# Altium PCB MB1137.PcbDoc (part 2 of 4) (continued)
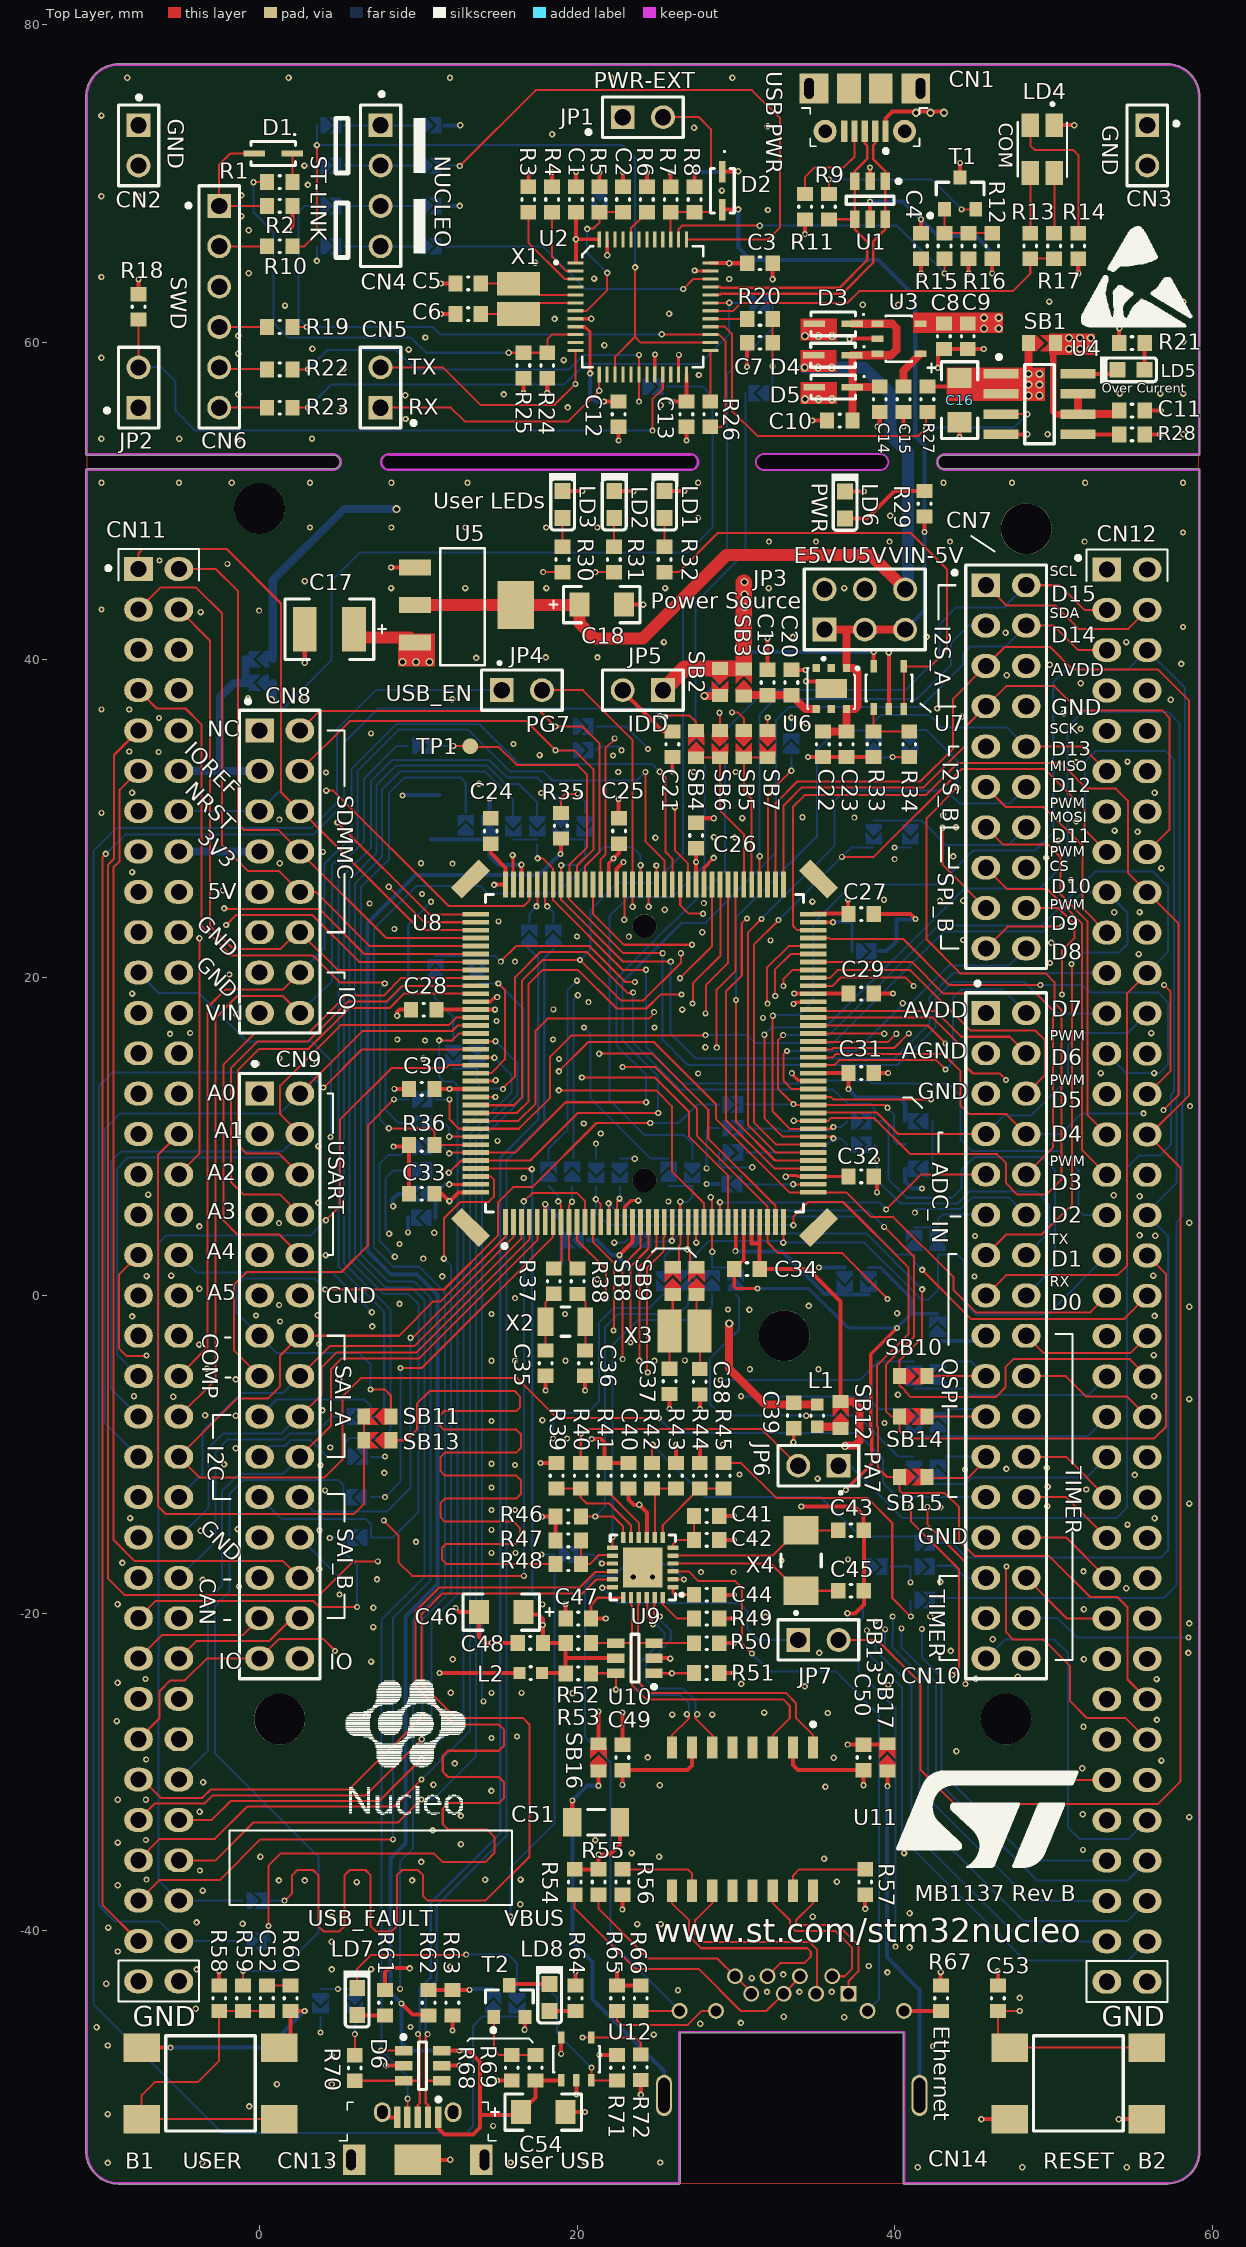
[diagram p0: Top Layer view]
## Nets (pads, with @x,y where several pads share a name; then routed paths per layer and width w, separated by ;. In a path a pad name is that pad's centre, name@x,y a point inside that pad or via, vN(x,y) a via of type N, cw(c..) or ccw(c..) an arc to the next point about the centre after c; other vN are vias at no path point) (continued)
  Bottom Layer w0.254: v2(12.573,-47.539) 9.394,-47.539 8.922,-47.066 v2(8.922,-44.577) 8.232,-43.887 8.232,-35.456 9.182,-34.506 9.182,-20.2 11.214,-18.168 11.214,0.019 9.908,1.325 8.267,1.325 6.792,2.8 6.792,23.454 9.804,26.467 17.577,26.467 18.898,27.788 v2(18.952,27.788)
NetC55_1: C55.1 SB123.1 SB124.1 U8.106 | length 8.2
  Top Layer w0.254: U8.106@16.482,25.865 v1(16.482,27.105)
  Bottom Layer w0.254: C55.1@10.795,28.702 12.973,28.702 SB123.1@12.979,28.708 SB124.1@14.478,28.708 14.478,27.661 15.034,27.105 v1(16.482,27.105)
NetC56_1: C56.1 SB129.1 U8.71 | length 4.3
  Top Layer w0.203: U8.71@34.857,23.49 v2(36.091,23.49)
  Bottom Layer w0.203: v2(36.091,23.49) 36.121,23.52 37.3,23.52 37.3,21.673 SB129.1@37.294,21.666
NetCN1_4: CN1.4 R11.1 | length 6.3
  Top Layer w0.127: R11.1@34.341,69.329 34.341,70.407 34.926,70.993 36.754,70.993 37.45,71.689 CN1.4@37.45,73.279
NetCN4_1: CN4.1 SB101.2 SB102.1 | length 4.6
  Bottom Layer w0.127: SB101.2@5.328,73.66 CN4.1@7.62,73.66 SB102.1@9.912,73.66
NetCN4_2: CN4.2 SB103.2 SB104.1 | length 4.6
  Bottom Layer w0.127: SB103.2@5.328,71.12 SB104.1@9.912,71.12
NetCN4_3: CN4.3 SB105.2 SB106.1 | length 4.6
  Bottom Layer w0.127: SB105.2@5.328,68.58 CN4.3@7.62,68.58 SB106.1@9.912,68.58
NetCN4_4: CN4.4 SB108.2 SB109.1 | length 4.6
  Bottom Layer w0.127: SB108.2@5.328,66.04 CN4.4@7.62,66.04 SB109.1@9.912,66.04
NetCN5_1: CN5.1 SB5.1 U2.13 | length 45.5
  Top Layer w0.127: CN5.1@7.612,55.88 12.04,55.88 12.903,55.016 19.443,55.016 v1(21.38,56.954) U2.13@21.38,57.98 ; v2(29.743,36.703) 30.099,36.703 30.48,36.322 SB5.1@30.48,35.56
  Signal w0.127: v1(21.38,56.954) 28.448,56.954 29.743,55.658 v2(29.743,36.703)
NetCN5_2: CN5.2 SB6.1 U2.12 | length 45.3
  Top Layer w0.127: CN5.2@7.612,58.42 11.532,58.42 13.894,56.058 18.567,56.058 v2(19.875,57.366) 19.88,57.37 U2.12@19.88,59.48 ; SB6.1@28.981,35.56 v2@28.981,36.676
  Signal w0.127: v2(19.875,57.366) 19.875,56.502 21.031,55.347 27.584,55.347 28.983,53.948 v2@28.983,36.678
  other v2: 28.956,36.678
NetCN6_1: CN6.1 D1.1 R2.1 | length 8.1
  Top Layer w0.127: D1.1@-0.311,71.881 -1.854,71.881 -2.54,71.195 CN6.1@-2.54,68.58 R2.1@0.47,68.58
NetCN6_2: CN6.2 R10.1 | length 3
  Top Layer w0.127: CN6.2@-2.54,66.04 R10.1@0.432,66.04
NetCN6_4: CN6.4 R19.1 | length 3
  Top Layer w0.127: CN6.4@-2.54,60.96 0.381,60.96 R19.1@0.406,60.985
NetCN6_5: CN6.5 R22.1 | length 3
  Top Layer w0.127: CN6.5@-2.54,58.42 -2.426,58.304 R22.1@0.421,58.304
NetCN6_6: CN6.6 R23.1 | length 3
  Top Layer w0.127: CN6.6@-2.54,55.88 0.507,55.879 R23.1@0.508,55.88
NetCN7_14: CN7.14 SB121.1 SB122.1 | length 10.7
  Bottom Layer w0.127: SB121.1@38.659,29.909 SB122.1@40.964,29.909 ; SB122.1@40.974,29.919 SB122.1@40.964,29.909 ; CN7.14@48.26,29.464 47.155,28.359 43.198,28.359 41.649,29.909 SB122.1@40.964,29.909
NetCN9_7: CN9.7 SB146.1 SB165.1 SB174.1 | length 76.3
  Signal w0.127: CN9.7@0,5.08 1.384,6.464 16.98,6.464 20.066,9.55 v2(21.184,9.55) 32.537,9.55 35.687,6.401 35.687,-6.299 v1(34.417,-7.569)
  Bottom Layer w0.127: SB146.1@21.184,8.604 21.184,9.523 21.211,9.55 v2(21.184,9.55) ; SB165.1@29.986,0.052 30.188,-0.15 30.188,-2.147 28.346,-3.988 28.346,-6.821 29.095,-7.569 v1(34.417,-7.569) 37.643,-7.569 40.221,-10.147 SB174.1@41.199,-10.147
NetCN9_9: CN9.9 SB143.1 SB147.1 SB150.1 SB171.1 | length 70.8
  Signal w0.127: CN9.9@0,2.54 1.091,3.631 7.899,3.631 v1(8.153,3.886) 9.169,4.902 19.964,4.902 20.422,5.359 20.422,7.366 21.66,8.604 v1(23.616,8.604) 30.48,8.604 v1(31.02,8.064) 32.163,6.921 32.163,3.826 30.302,1.965 v2(30.302,-6.35)
  Bottom Layer w0.127: v1(8.153,3.886) 7.915,4.125 7.915,7.356 8.42,7.861 SB143.1@9.354,7.861 ; SB147.1@22.682,8.604 v1(23.616,8.604) ; SB150.1@28.912,8.992 28.912,8.344 29.191,8.064 v1(31.02,8.064) ; v2(30.302,-6.35) 38.181,-6.35 38.981,-7.15 SB171.1@41.199,-7.15
NetCN9_11: CN9.11 SB138.1 SB140.1 SB157.1 SB167.1 | length 72.7
  Signal w0.127: CN9.11@0,0 1.068,1.068 7.157,1.068 v1(8.523,2.434) 9.317,2.434 10.262,3.378 22.327,3.378 26.949,8.001 v2(28.143,8.001) 29.312,8.001 30.963,6.35 30.963,5.096 29.009,3.143 v2(29.009,-5.329)
  Bottom Layer w0.127: v1(8.523,2.434) 7.562,3.395 7.562,8.279 8.134,8.852 8.846,8.852 SB138.1@9.354,9.36 ; v1(22.327,3.327) 22.968,3.327 SB157.1@23.146,3.505 ; v2(28.143,8.001) 28.143,10.389 28.296,10.541 28.886,10.541 SB140.1@28.912,10.516 ; v2(29.009,-5.329) 37.794,-5.329 38.964,-4.159 SB167.1@41.192,-4.159
NetCN9_13: CN9.13 SB11.1 SB137.1 | length 52.7
  Top Layer w0.127: v2(4.132,0.373) 11.609,0.373 15.014,3.778 15.014,5.87 15.964,6.82 17.178,6.82 21.211,10.853 v1(24.587,10.853) ; v2(6.985,-5.918) 7.874,-5.918 8.274,-6.318 SB11.1@8.274,-7.619
  Bottom Layer w0.127: v2(4.132,0.373) 3.438,1.068 -0.964,1.068 -1.448,0.584 -1.448,-1.092 CN9.13@0,-2.54 1.091,-3.631 6.273,-3.631 6.985,-4.343 v2(6.985,-5.918) ; v1(24.587,10.853) 26.391,10.853 27.552,12.014 SB137.1@28.912,12.014
NetCN9_15: CN9.15 JP6.2 R40.2 SB136.1 | length 65
  Top Layer w0.127: CN9.15@0,-5.08 -1.6,-3.48 -1.6,0.686 -0.814,1.472 5.155,1.472 6.836,3.153 6.836,10.721 v2(8.458,12.343) ; R40.2@20.219,-10.554 v2(20.219,-8.687) 20.491,-8.415 31.605,-8.415 JP6.2@33.909,-10.719
  Signal w0.127: CN9.15@0,-5.08 1.422,-6.502 18.034,-6.502 v2(20.219,-8.687)
  Bottom Layer w0.127: v2(8.458,12.343) v2(8.458,12.343) SB136.1@9.354,12.344
NetCN9_17: CN9.17 SB115.1 SB169.1 | length 54.7
  Bottom Layer w0.127: CN9.17@0,-7.62 1.068,-6.552 2.982,-6.552 ; 2.983,-6.553 6.6,-6.553 7.004,-6.957 SB169.1@7.004,-7.62 7.029,-7.645 7.612,-7.645 7.849,-7.409 7.849,-1.041 4.963,1.845 4.963,26.96 6.579,28.575 6.579,32.537 8.636,34.595 SB115.1@9.354,34.595
NetCN9_19: CN9.19 SB128.1 SB170.1 | length 67.7
  Bottom Layer w0.127: CN9.19@0,-10.16 0.68,-9.48 1.6,-9.48 1.987,-9.092 3.2,-9.092 4.268,-10.16 SB170.1@5.29,-10.16 5.29,-9.341 5.669,-8.962 7.739,-8.962 8.255,-8.445 8.255,-0.908 5.316,2.031 5.316,26.474 7.003,28.161 7.003,32.364 8.342,33.703 14.463,33.703 15.578,32.588 17.475,32.588 18.974,31.09 SB128.1@18.974,30.423 SB128.1@18.974,30.099
NetCN9_21: CN9.21 SB126.1 SB176.1 | length 73.9
  Bottom Layer w0.127: CN9.21@0,-12.7 1.372,-14.072 6.68,-14.072 7.029,-14.421 SB176.1@7.029,-15.24 8.382,-15.24 10.008,-13.614 10.008,-0.559 9.373,0.076 7.809,0.076 5.669,2.216 5.669,26.142 7.356,27.828 7.356,32.121 8.585,33.35 14.317,33.35 15.46,32.207 16.3,32.207 17.475,31.032 SB126.1@17.475,30.423 SB126.1@17.475,30.099
NetCN10_11: CN10.11 SB158.2 SB159.2 | length 5.2
  Bottom Layer w0.127: SB158.2@41.199,4.286 SB159.2@42.697,4.286 42.697,4.801 42.977,5.08 CN10.11@45.72,5.08
NetCN10_14: CN10.14 SB130.2 SB131.2 SB151.2 | length 56.9
  Top Layer w0.127: v2(15.189,21.006) 15.189,21.023 16.162,21.996 20.745,21.996 23.006,19.736 v2(23.622,19.736)
  Signal w0.127: v2(23.622,19.736) 24.079,19.279 24.079,17.838 24.571,17.346 25.03,17.346 ; 25.032,17.348 25.03,17.346 ; v2(38.862,8.534) 38.862,15.215 37.16,16.916 27,16.916 26.571,17.346 25.03,17.346
  Bottom Layer w0.127: SB130.2@11.049,21.355 SB131.2@13.691,21.355 14.84,21.355 v2(15.189,21.006) ; SB151.2@38.703,9.474 38.862,9.315 v2(38.862,8.534) 38.862,7.289 40.365,5.786 43.937,5.786 44.704,6.552 48.87,6.552 49.682,5.74 49.682,3.962 CN10.14@48.26,2.54
NetCN10_16: CN10.16 SB134.2 SB135.2 SB141.2 | length 67.7
  Top Layer w0.127: v2(15.316,12.979) 15.316,13.03 16.091,13.805 16.091,20.028 17.678,21.615 20.587,21.615 23.178,19.025 23.495,19.025 23.52,19.05 v2(23.52,19.075)
  Bottom Layer w0.127: SB134.2@12.192,14.287 SB135.2@13.691,14.287 13.691,13.36 14.04,13.011 15.285,13.011 v2(15.316,12.979) ; v2(23.52,19.075) 23.52,15.912 26.479,12.954 36.121,12.954 37.02,12.055 38.434,12.055 38.703,11.786 SB141.2@38.703,10.973 39.294,10.973 39.598,10.669 39.598,7.282 40.733,6.147 43.599,6.147 44.171,6.719 44.171,7.899 44.983,8.711 49.251,8.711 50.063,7.899 50.063,1.803 CN10.16@48.26,0
NetCN10_19: CN10.19 SB10.2 SB168.2 | length 6.6
  Top Layer w0.127: SB10.2@42.005,-5.08 CN10.19@45.72,-5.08
  Bottom Layer w0.127: 43.205,-4.159 44.799,-4.159 CN10.19@45.72,-5.08
NetCN10_21: CN10.21 SB14.2 SB172.2 | length 6.4
  Top Layer w0.127: SB14.2@42.005,-7.62 CN10.21@45.72,-7.62
  Bottom Layer w0.127: 43.205,-7.15 45.25,-7.15 CN10.21@45.72,-7.62
NetCN10_23: CN10.23 SB15.2 SB175.2 | length 6.9
  Top Layer w0.127: SB15.2@42.005,-11.43 42.056,-11.481 44.61,-11.481 45.72,-10.37 CN10.23@45.72,-10.16
  Bottom Layer w0.127: 43.205,-10.141 45.701,-10.141 CN10.23@45.72,-10.16
NetCN10_29: CN10.29 SB179.2 | length 3.3
  Bottom Layer w0.127: SB179.2@42.691,-17.018 43.663,-17.018 44.425,-17.78 CN10.29@45.72,-17.78
NetCN11_25: CN11.25 SB144.2 | length 46.2
  Signal w0.127: CN11.25@-7.62,15.24 -6.299,16.561 -6.299,21.134 -5.664,21.769 -4.48,21.769 ; -4.479,21.768 -0.601,21.768 ; -0.6,21.769 0.6,21.769 ; 0.601,21.768 1.939,21.768 ; 1.94,21.769 3.14,21.769 ; 3.141,21.768 13.493,21.768 14.052,22.327 17.475,22.327 v1(19.982,19.82)
  Bottom Layer w0.127: SB144.2@18.186,8.604 18.186,9.224 19.393,10.43 19.393,19.231 v1(19.982,19.82)
NetCN11_27: CN11.27 SB145.2 | length 46.2
  Signal w0.127: CN11.27@-7.62,12.7 -6.35,13.97 -4.547,13.97 -3.785,14.732 -3.785,19.914 -2.311,21.387 -0.443,21.387 ; -0.442,21.388 0.442,21.388 ; 0.443,21.387 2.097,21.387 ; 2.098,21.388 2.982,21.388 ; 2.983,21.387 13.651,21.387 14.209,21.946 16.993,21.946 v1(20.041,18.898)
  Bottom Layer w0.127: SB145.2@19.685,8.611 19.774,8.699 19.774,18.631 v1(20.041,18.898)
NetCN11_29: CN11.29 SB148.2 | length 47.4
  Signal w0.127: CN11.29@-7.62,10.16 -6.452,11.328 -4.75,11.328 -2.896,13.183 -2.896,17.755 -1.803,18.848 2.982,18.848 ; 2.983,18.847 4.293,18.847 5.618,20.173 17.115,20.173 v2(20.422,16.866)
  Bottom Layer w0.127: v2(20.422,16.866) 20.828,16.459 20.828,12.408 24.632,8.604 SB148.2@25.748,8.604
NetCN11_31: CN11.31 SB163.2 | length 58.5
  Signal w0.127: CN11.31@-7.62,7.62 -9.013,6.227 -9.013,-8.158 -8.179,-8.992 18.469,-8.992 v2(18.482,-9.004)
  Bottom Layer w0.127: v2(18.482,-9.004) 18.482,-7.934 19.025,-7.391 20.65,-7.391 21.361,-6.68 21.361,-1.727 22.301,-0.787 24.536,-0.787 25.381,0.057 SB163.2@25.476,0.057
NetCN11_69: CN11.69 SB4.2 | length 113.5
  Top Layer w0.127: v1(-9.677,27.788) -9.899,27.566 -9.899,-38.361 CN11.69@-7.62,-40.64 ; v2@25.222,36.5 27.076,36.5 27.483,36.093 SB4.2@27.483,35.56
  Bottom Layer w0.127: v1(-9.677,27.788) -8.457,29.008 3.379,29.008 5.309,30.937 5.309,34.773 7.48,36.944 24.727,36.944 v2(25.197,36.474)
NetCN12_1: CN12.1 SB117.2 | length 38.8
  Signal w0.127: v2(22.776,34.315) 23.411,34.95 29.235,34.95 32.029,37.744 41.402,37.744 43.688,40.03 43.688,42.494 44.755,43.561 49.454,43.561 51.587,45.695 CN12.1@53.34,45.695 CN12.1@53.137,45.898
  Bottom Layer w0.127: SB117.2@21.203,34.315 21.43,34.543 22.549,34.543 v2(22.776,34.315) ; CN12.1@53.314,45.721 CN12.1@53.34,45.695
NetCN12_2: CN12.2 SB116.2 | length 41.4
  Signal w0.127: v2(24.46,34.398) 29.191,34.398 32.184,37.391 34.69,37.391 41.548,37.391 43.508,39.351 44.041,39.884 44.041,39.901 44.044,39.903 44.044,42.35 44.899,43.205 50.8,43.205 51.994,44.399 54.585,44.399 CN12.2@55.88,45.695
  Bottom Layer w0.127: SB116.2@21.209,35.814 23.044,35.814 v2(24.46,34.398)
NetCN12_10: CN12.10 SB7.1 | length 26.7
  Top Layer w0.127: SB7.1@31.979,35.56 v1(31.979,36.379)
  Signal w0.127: v1(31.979,36.379) 32.607,37.008 41.783,37.008 43.129,38.354 50.114,38.354 51.689,36.779 54.635,36.779 CN12.10@55.88,35.535
NetCN13_2: CN13.2 D6.4 SB133.1 | length 78
  Top Layer w0.155: v2(10.585,-46.507) 10.472,-46.62 10.472,-49.454 ; CN13.2@10.607,-51.74 10.607,-50.982 10.472,-50.847 10.472,-49.454 ; D6.4@11.462,-49.439 10.488,-49.439 10.472,-49.454
  Bottom Layer w0.155: v2(10.585,-46.507) 10.472,-46.394 10.472,-43.782 11.151,-43.104 11.151,-38.41 15.545,-34.016 15.545,8.524 17.927,10.906 17.927,21.229 SB133.1@18.491,21.793
NetCN13_3: CN13.3 D6.3 R70.1 SB132.1 | length 81.2
  Top Layer w0.155: R70.1@5.994,-49.441 5.997,-49.439 D6.3@9.062,-49.439 10.081,-49.439 10.091,-49.428 ; CN13.3@9.957,-51.74 9.957,-50.982 10.091,-50.847 10.091,-49.428 ; v2(9.978,-46.507) 10.091,-46.62 10.091,-49.428
  Bottom Layer w0.155: v2(9.978,-46.507) 10.091,-46.394 10.091,-43.624 10.77,-42.946 10.77,-38.252 15.164,-33.858 15.164,8.681 17.546,11.063 17.546,21.229 SB132.1@16.982,21.793 SB132.1@16.893,21.882
NetCN13_4: CN13.4 D6.1 SB125.1 | length 100.9
  Top Layer w0.127: v2(7.645,-47.549) 7.656,-47.539 D6.1@9.062,-47.539 ; CN13.4@9.307,-51.74 9.307,-50.586 v2(9.322,-50.571)
  Bottom Layer w0.127: v2(7.645,-47.549) 7.689,-47.549 9.322,-49.181 v2(9.322,-50.571) ; v2@7.663,-47.531 7.663,-20.43 10.389,-17.704 10.389,-0.323 9.566,0.5 7.925,0.5 6.022,2.402 6.022,25.936 7.709,27.622 7.709,31.839 8.839,32.969 14.199,32.969 15.962,31.206 SB125.1@15.962,30.423 SB125.1@15.962,30.099
NetCN14_1: CN14.1 U11.16 | length 10.3
  Top Layer w0.13: U11.16@34.849,-37.479 34.849,-38.256 33.769,-39.336 33.769,-39.494 33.912,-39.637 36.422,-39.637 37.694,-40.909 37.694,-42.547 37.073,-43.168 CN14.1@37.073,-43.959
NetCN14_2: CN14.2 U11.14 | length 9.9
  Top Layer w0.13: U11.14@32.309,-37.479 32.309,-38.256 33.388,-39.336 33.388,-39.651 33.755,-40.018 36.264,-40.018 37.287,-41.041 37.287,-42.415 36.843,-42.859 CN14.2@36.053,-42.859
NetCN14_3: CN14.3 U11.11 | length 14
  Top Layer w0.13: U11.11@28.499,-37.479 28.499,-38.256 27.419,-39.336 27.419,-40.183 27.953,-40.716 33.208,-40.716 33.587,-40.716 34.626,-40.716 35.077,-41.168 35.077,-43.914 CN14.3@35.033,-43.959
NetCN14_4: CN14.4 CN14.5 R54.2 | length 18.7
  Top Layer w0.127: R54.2@19.837,-37.732 19.837,-38.583 23.647,-42.393 27.635,-42.393 30.29,-45.047 31.905,-45.047 CN14.5@32.993,-43.959 34.013,-42.939 CN14.4@34.013,-42.859
NetCN14_6: CN14.6 U11.9 | length 14.9
  Top Layer w0.13: U11.9@25.959,-37.479 25.959,-38.256 27.038,-39.336 27.038,-40.341 27.795,-41.097 27.953,-41.097 28.773,-41.097 34.468,-41.097 34.696,-41.326 34.696,-41.631 34.314,-42.013 32.818,-42.013 CN14.6@31.973,-42.859
NetCN14_7: CN14.7 CN14.8 R55.2 | length 12.8
  Top Layer w0.127: R55.2@21.344,-37.732 21.344,-38.616 24.47,-41.742 28.815,-41.742 CN14.8@29.933,-42.859 30.953,-43.879 CN14.7@30.953,-43.959
NetCN14_9: CN14.9 R67.1 | length 2.3
  Top Layer w0.254: CN14.9@40.563,-45.039 40.57,-45.047 R67.1@42.901,-45.047
NetCN14_10: CN14.10 U9.3 | length 37.7
  Top Layer w0.127: U9.3@26.03,-17.378 27.004,-17.378 27.61,-17.983 29.947,-17.983 30.378,-18.415 30.378,-21.934 v2(30.988,-22.543)
  Bottom Layer w0.127: v2(30.988,-22.543) 32.118,-23.673 36.279,-23.673 38.989,-26.383 38.989,-44.323 CN14.10@38.273,-45.039
NetCN14_11: CN14.11 R65.1 | length 7.3
  Top Layer w0.127: R65.1@22.504,-45.047 22.504,-45.644 22.784,-45.923 26.964,-45.923 27.848,-45.039 CN14.11@28.733,-45.039
NetCN14_12: CN14.12 R66.1 U9.2 | length 41.8
  Top Layer w0.127: R66.1@23.995,-45.047 24.003,-45.039 CN14.12@26.443,-45.039 26.435,-45.047 R66.1@24.206,-45.047 ; U9.2@26.03,-17.878 v2(26.721,-17.878)
  Bottom Layer w0.127: CN14.12@26.443,-45.039 22.098,-40.694 22.098,-29.403 20.498,-27.802 20.498,-18.263 21.107,-17.653 22.352,-17.653 23.063,-16.942 25.785,-16.942 v2(26.721,-17.878)
NetD1_2: D1.2 R1.1 | length 1.8
  Top Layer w0.127: D1.2@2.064,71.882 2.07,71.876 R1.1@2.07,70.079
NetD2_2: D2.2 R8.1 | length 4.8
  Top Layer w0.254: R8.1@27.381,69.786 v2(27.381,70.714) ; D2.2@29.134,70.745 v1@30.115,70.745
  Bottom Layer w0.127: v1@30.084,70.814 v1(30.134,70.764)
  Bottom Layer w0.254: v2(27.381,70.714) 30.083,70.714 v1(30.134,70.764)
NetJP1_2: JP1.2 R7.1 R8.2 U2.39 | length 12.7
  Top Layer w0.127: JP1.2@25.4,74.168 27.661,74.168 28.409,73.42 28.409,68.351 28.244,68.186 R8.2@27.381,68.186 ; U2.39@25.88,66.479 U2.39@25.88,66.48 R7.1@25.88,68.182 ; R7.1@25.883,68.185 R8.2@27.381,68.185
NetJP2_2: JP2.2 R18.2 U2.21 | length 41.8
  Top Layer w0.127: JP2.2@-7.62,58.42 JP2.2@-7.62,58.42 R18.2@-7.62,61.327 ; v2(24.73,54.432) 24.73,56.404 25.38,57.054 U2.21@25.38,57.98
  Bottom Layer w0.127: JP2.2@-7.645,58.445 -6.223,58.445 -5.283,57.506 -5.283,55.677 -4.039,54.432 v2(24.73,54.432)
NetJP4_1: JP4.1 SB184.1 SB185.2 | length 142
  Bottom Layer w0.127: JP4.1@15.24,38.1 7.315,38.1 4.877,35.662 4.877,31.039 3.25,29.412 -9.018,29.412 -10.462,27.968 -10.462,-44.63 -2.362,-52.73 13.005,-52.73 13.437,-52.299 13.437,-45.999 14.054,-45.382 SB184.1@14.707,-45.382 14.708,-45.383 SB185.2@16.205,-45.383
NetJP7_1: JP7.1 U9.18 | length 14.4
  Top Layer w0.127: v1(21.565,-18.415) 21.565,-18.378 U9.18@22.23,-18.378
  Bottom Layer w0.127: v1(21.565,-18.415) 22.517,-19.367 30.188,-19.367 30.709,-19.888 30.709,-21.018 31.382,-21.692 JP7.1@33.273,-21.692
NetL1_2: L1.2 SB12.1 | length 1.5
  Top Layer w0.508: L1.2@35.103,-8.268 36.454,-8.268 SB12.1@36.576,-8.39
NetLD1_1: LD1.1 R32.2 | length 1.8
  Top Layer w0.127: R32.2@25.502,47.13 LD1.1@25.502,48.934
NetLD2_1: LD2.1 R31.2 | length 1.8
  Top Layer w0.127: LD2.1@22.295,48.922 22.301,48.916 R31.2@22.301,47.13
NetLD3_1: LD3.1 R30.2 | length 1.8
  Top Layer w0.127: R30.2@19.069,47.129 LD3.1@19.069,48.934
NetLD4_2: LD4.2 R17.2 | length 3.8
  Top Layer w0.127: R17.2@50.013,66.865 50.026,66.879 LD4.2@50.026,70.661
NetLD4_3: LD4.3 R13.2 | length 3.8
  Top Layer w0.127: R13.2@48.514,66.865 48.526,66.877 LD4.3@48.526,70.661
NetLD4_4: LD4.4 R14.1 | length 9.5
  Top Layer w0.127: LD4.4@48.526,73.661 48.526,72.378 48.793,72.111 51.206,72.111 51.537,71.78 R14.1@51.537,66.865
NetLD5_1: LD5.1 R21.2 | length 1.7
  Top Layer w0.254: LD5.1@55.715,58.268 R21.2@55.715,59.944
NetLD5_2: LD5.2 U4.8 | length 2.5
  Top Layer w0.254: U4.8@51.523,58.014 LD5.2@54.014,58.014
NetLD6_1: LD6.1 R29.1 | length 5.7
  Top Layer w0.254: LD6.1@36.856,48.917 38.249,48.917 39.967,50.635 R29.1@41.859,50.635
NetLD7_1: LD7.1 R61.1 | length 1.8
  Top Layer w0.254: LD7.1@6.147,-45.3 6.173,-45.326 R61.1@7.899,-45.326
NetLD7_2: LD7.2 R71.2 SB185.1 U12.3 | length 23.8
  Top Layer w0.127: LD7.2@6.147,-43.371 6.147,-42.393 7.022,-41.517 12.991,-41.517 v2(13.005,-41.504) ; v2(20.889,-48.616) U12.3@20.889,-49.407 20.879,-49.417 22.503,-49.417 R71.2@22.504,-49.416
  Bottom Layer w0.127: v2(13.005,-41.504) 15.672,-41.504 16.205,-42.037 SB185.1@16.205,-43.669 18.218,-43.669 18.72,-44.171 18.72,-46.446 v2(20.889,-48.616)
NetLD8_1: LD8.1 R64.1 | length 1.6
  Top Layer w0.254: LD8.1@18.263,-45.046 R64.1@19.888,-45.046
NetLD8_2: LD8.2 T2.3 | length 2.6
  Top Layer w0.254: T2.3@15.723,-43.425 15.801,-43.346 LD8.2@18.263,-43.346
NetR3_2: R3.2 U2.3 | length 5.8
  Top Layer w0.127: R3.2@16.916,68.186 16.916,66.267 19.204,63.98 U2.3@19.88,63.98
NetR4_2: R4.2 U2.2 | length 4.7
  Top Layer w0.127: R4.2@18.415,68.193 R4.2@18.415,68.186 18.415,65.38 19.316,64.479 U2.2@19.88,64.48
NetR6_2: R6.2 U2.44 | length 2.1
  Top Layer w0.127: U2.44@23.38,66.479 23.38,67.173 R6.2@24.392,68.185
NetR9_2: R9.2 T1.2 | length 10.9
  Top Layer w0.127: R9.2@35.839,69.329 v2@35.839,70.18 ; v2(44.194,68.367) T1.2@45.074,68.367
  Bottom Layer w0.127: v2(35.839,70.256) 42.305,70.256 v2(44.194,68.367)
NetR12_1: R12.1 R15.1 R16.2 T1.1 | length 4.5
  Top Layer w0.127: T1.1@43.122,68.36 R15.1@43.122,66.865 R12.1@46.119,66.865
NetR20_1: R20.1 U2.29 | length 2.3
  Top Layer w0.127: U2.29@28.38,61.48 R20.1@30.685,61.479
NetR27_2: R27.2 U2.28 U4.3 | length 28.7
  Top Layer w0.127: U2.28@28.38,60.98 29.289,60.98 29.731,60.538 29.731,55.701 31.331,54.102 41.466,54.102 v2(41.961,54.597) R27.2@41.961,55.524 ; U4.3@46.673,55.474 v1(48.336,55.474)
  Bottom Layer w0.127: v2@42.037,54.625 47.488,54.625 v1(48.336,55.474)
NetR28_2: R28.2 U4.5 | length 2.4
  Top Layer w0.254: U4.5@51.523,54.204 R28.2@53.881,54.204
NetR30_1: R30.1 SB118.2 | length 28.6
  Top Layer w0.127: v2(17.855,45.529) R30.1@19.069,45.529
  Signal w0.127: v2(17.855,45.529) 20.549,42.835 20.549,34.646 21.717,33.477 30.582,33.477 v1(33.477,36.373)
  Bottom Layer w0.127: SB118.2@33.477,35.56 v1(33.477,36.373)
NetR31_1: R31.1 SB139.2 | length 47
  Top Layer w0.127: v2@21.134,45.53 R31.1@22.301,45.53 R31.1@22.568,45.53
  Signal w0.127: v2(10.795,24.781) 13.106,27.092 13.106,43.155 16.815,46.863 19.799,46.863 v2(21.133,45.529)
  Bottom Layer w0.127: SB139.2@9.36,10.846 8.757,10.846 7.925,11.678 7.925,18.339 9.36,19.774 9.36,23.346 v2(10.795,24.781)
NetR32_1: R32.1 U7.3 U7.4 | length 30.6
  Top Layer w0.127: R32.1@25.552,45.53 26.378,45.53 28.842,47.993 40.983,47.993 43.282,45.695 43.282,40.64 42.244,39.602 U7.4@40.561,39.602 U7.3@40.561,36.902
NetR33_1: R33.1 R34.1 U7.1 | length 3.6
  Top Layer w0.127: U7.1@38.661,36.902 38.661,35.499 R33.1@38.659,35.496 R34.1@40.894,35.496
NetR34_2: R34.2 SB119.1 SB120.2 | length 3.4
  Top Layer w0.127: v2(39.853,33.896) R34.2@40.894,33.896
  Bottom Layer w0.127: SB119.1@38.659,33.845 40.919,33.845 SB120.2@40.964,33.89
NetR35_2: R35.2 SB127.1 | length 3.5
  Top Layer w0.127: R35.2@18.974,30.035 R35.2@18.98,30.042 ; R35.2@18.974,30.366 18.974,31.293 19.253,31.572 v2(20.032,31.572)
  Bottom Layer w0.127: v2(20.032,31.572) 20.041,31.572 20.472,31.14 SB127.1@20.472,30.423 SB127.1@20.472,30.366
NetR39_2: R39.2 R40.1 U9.11 | length 7
  Top Layer w0.127: R39.2@18.694,-12.154 R40.1@20.219,-12.154 ; R40.1@20.219,-11.925 R40.1@20.219,-12.154 ; U9.11@23.38,-15.228 23.38,-14.465 22.017,-13.102 20.595,-13.102 20.219,-12.726 R40.1@20.219,-12.154
NetR41_1: R41.1 U9.10 | length 4.2
  Top Layer w0.127: R41.1@21.717,-11.925 R41.1@21.717,-12.154 23.88,-14.317 U9.10@23.88,-15.228
NetR42_1: R42.1 R43.2 U9.8 | length 4.6
  Top Layer w0.127: R42.1@24.714,-12.154 R42.1@24.88,-12.154 ; U9.8@24.88,-15.228 R42.1@24.88,-12.154 ; R43.2@26.213,-12.154 R42.1@24.88,-12.154
NetR42_2: R42.2 SB178.1 | length 20.4
  Top Layer w0.127: R42.2@24.714,-10.554 v1@24.714,-9.398
  Bottom Layer w0.127: v1@24.714,-9.398 28.016,-12.7 35.343,-12.7 37.807,-15.164 41.561,-15.164
  other v1: 24.74,-9.389
NetR44_2: R44.2 R45.1 U9.7 | length 5.6
  Top Layer w0.127: U9.7@25.38,-15.228 25.38,-14.458 27.684,-12.154 R44.2@27.711,-12.154 R45.1@29.21,-12.154
NetR45_2: R45.2 SB181.1 | length 19.6
  Top Layer w0.127: R45.2@29.21,-10.554 30.315,-10.554 32.512,-12.751 38.252,-12.751 39.827,-14.326 39.827,-19.05 v2(40.996,-20.218)
  Bottom Layer w0.127: v2@40.977,-20.199 SB181.1@40.977,-19.177
NetR46_1: R46.1 SB160.1 U9.12 | length 22.2
  Top Layer w0.127: R46.1@20.231,-13.919 v1(21.133,-13.919) 22.276,-13.919 22.88,-14.523 U9.12@22.88,-15.228
  Bottom Layer w0.127: v1(21.133,-13.919) 21.742,-13.31 21.742,-2.007 22.581,-1.168 26.383,-1.168 26.975,-0.577 SB160.1@26.975,0.006
NetR47_2: R47.2 R48.1 U9.14 | length 3.7
  Top Layer w0.127: R47.2@20.231,-15.418 R48.1@20.231,-16.916 20.777,-16.916 21.337,-16.357 22.209,-16.357 U9.14@22.23,-16.378
NetR48_2: R48.2 SB13.1 | length 61
  Top Layer w0.127: SB13.1@8.274,-9.119 9.233,-9.119 9.906,-8.445 9.906,-6.833 10.719,-6.02 16.053,-6.02 16.408,-6.375 16.408,-7.036 16.154,-7.29 11.608,-7.29 11.328,-7.569 11.328,-8.179 11.595,-8.445 16.17,-8.445 16.459,-8.735 16.459,-9.604 16.17,-9.893 11.669,-9.893 11.379,-10.183 11.379,-11.052 11.669,-11.341 16.17,-11.341 16.459,-11.631 16.459,-12.499 16.17,-12.789 11.669,-12.789 11.379,-13.078 11.379,-13.947 11.669,-14.237 15.989,-14.237 16.383,-14.63 16.383,-15.367 16.104,-15.646 11.737,-15.646 11.481,-15.903 11.481,-16.612 11.786,-16.916 R48.2@18.631,-16.916
NetR49_1: R49.1 U9.24 | length 2.7
  Top Layer w0.127: U9.24@25.38,-19.028 25.38,-19.436 26.289,-20.345 R49.1@27.343,-20.345
NetR56_2: R56.2 U11.10 | length 5.6
  Top Layer w0.127: R56.2@22.835,-36.132 26.962,-36.132 27.229,-36.398 U11.10@27.229,-37.479
NetR57_2: R57.2 U11.15 | length 5.7
  Top Layer w0.127: U11.15@33.579,-37.479 33.579,-36.525 33.972,-36.132 R57.2@38.125,-36.132
NetR62_2: R62.2 R63.1 SB184.2 | length 4.1
  Top Layer w0.254: R62.2@10.643,-43.726 R63.1@12.141,-43.726 13.195,-43.726 v2(13.208,-43.713)
  Bottom Layer w0.254: v2(13.208,-43.713) 13.254,-43.667 SB184.2@14.707,-43.667
NetR68_2: R68.2 R69.2 T2.1 | length 4.8
  Top Layer w0.127: T2.1@14.743,-45.425 14.743,-47.483 15.088,-47.828 15.1,-47.816 R69.2@15.875,-47.816 R68.2@17.374,-47.816
NetR70_2: R70.2 SB186.2 | length 2.5
  Top Layer w0.127: R70.2@5.994,-47.841 v2(5.994,-46.507)
  Bottom Layer w0.127: v2(5.994,-46.507) SB186.2@5.994,-45.382
NetR72_2: R72.2 SB187.2 U12.4 | length 23
  Top Layer w0.127: v2(20.32,-46.711) 20.324,-46.707 U12.4@20.889,-46.707 23.645,-46.707 23.995,-47.056 R72.2@23.995,-47.79
  Signal w0.127: v2(3.835,-46.406) 4.865,-45.376 18.986,-45.376 v2(20.32,-46.711)
  Bottom Layer w0.127: v2(3.835,-46.406) SB187.2@3.835,-45.382
NetR73_2: R73.2 SB142.1 SB152.1 | length 3
  Bottom Layer w0.127: SB152.1@42.361,7.976 SB142.1@42.361,10.973
NetSB153_1: SB153.1 SB154.1 U8.143 | length 4.3
  Top Layer w0.178: v1(11.938,6.985) U8.143@13.602,6.985
  Bottom Layer w0.178: SB153.1@11.067,6.396 11.655,6.985 v1(11.938,6.985)
  Bottom Layer w0.254: SB154.1@11.067,4.898 SB153.1@11.067,6.396
NetSB155_1: SB155.1 U8.38 | length 4.3
  Top Layer w0.127: v1@33.553,7.018 v1(33.581,6.99) U8.38@34.857,6.99
  Bottom Layer w0.127: SB155.1@30.626,7.01 30.662,6.975 33.566,6.975 v1(33.581,6.99)
NetSB161_2: SB161.2 SB166.2 U8.30 | length 11.4
  Top Layer w0.203: v2(29.951,2.781) 29.982,2.812 U8.30@29.982,4.615
  Bottom Layer w0.254: v2(29.951,2.781) 29.961,2.771 32.888,2.771 35.582,0.077 36.802,0.077 SB161.2@36.83,0.05 SB166.2@38.329,0.05
NetSB164_1: SB164.1 U9.13 | length 20.8
  Top Layer w0.127: U9.13@22.23,-15.878 v2(22.23,-15.194)
  Bottom Layer w0.127: v2(22.23,-15.194) 22.23,-3.119 23.8,-1.549 27.614,-1.549 28.487,-0.676 SB164.1@28.487,0.052
NetSB177_2: SB177.2 U9.15 | length 2.2
  Top Layer w0.127: v1(21.553,-16.878) U9.15@22.23,-16.878
  Bottom Layer w0.127: SB177.2@20.288,-16.307 20.982,-16.307 v1(21.553,-16.878)
NetSB182_2: SB182.2 U9.17 | length 67.9
  Top Layer w0.127: v2(1.575,-38.1) 2.045,-37.63 2.045,-36.5 2.375,-36.17 3.365,-36.17 3.696,-36.5 3.696,-39.7 4.026,-40.03 5.016,-40.03 5.347,-39.7 5.347,-36.5 5.677,-36.17 6.667,-36.17 6.998,-36.5 6.998,-39.7 7.328,-40.03 8.319,-40.03 8.649,-39.7 8.649,-36.5 8.979,-36.17 9.97,-36.17 10.3,-36.5 10.3,-37.821 10.579,-38.1 14.217,-38.1 16.993,-35.324 16.993,-27.026 16.561,-26.594 12.344,-26.594 10.198,-24.447 10.198,-20.071 11.502,-18.767 20.319,-18.767 21.208,-17.878 U9.17@22.23,-17.878
  Bottom Layer w0.127: SB182.2@0.654,-38.1 v2(1.575,-38.1)
NetSB183_2: SB183.2 U9.16 | length 65.6
  Top Layer w0.127: v2(0.559,-39.7) 0.559,-35.89 1.321,-35.128 10.973,-35.128 11.502,-35.658 14.228,-35.658 14.783,-35.103 14.783,-34.087 14.313,-33.617 11.862,-33.617 11.532,-33.287 11.532,-32.296 11.862,-31.966 15.062,-31.966 15.392,-31.636 15.392,-30.645 15.062,-30.315 11.862,-30.315 11.532,-29.985 11.532,-28.994 11.862,-28.664 15.062,-28.664 15.392,-28.334 15.392,-27.343 15.062,-27.013 12.225,-27.013 9.817,-24.605 9.817,-19.875 11.307,-18.386 20.161,-18.386 21.148,-17.398 22.209,-17.398 U9.16@22.23,-17.378
  Bottom Layer w0.127: v2(0.559,-39.7) 0.559,-40.545 SB183.2@0.654,-40.64